# Allegro board mini_trx_layout.brd (continued)
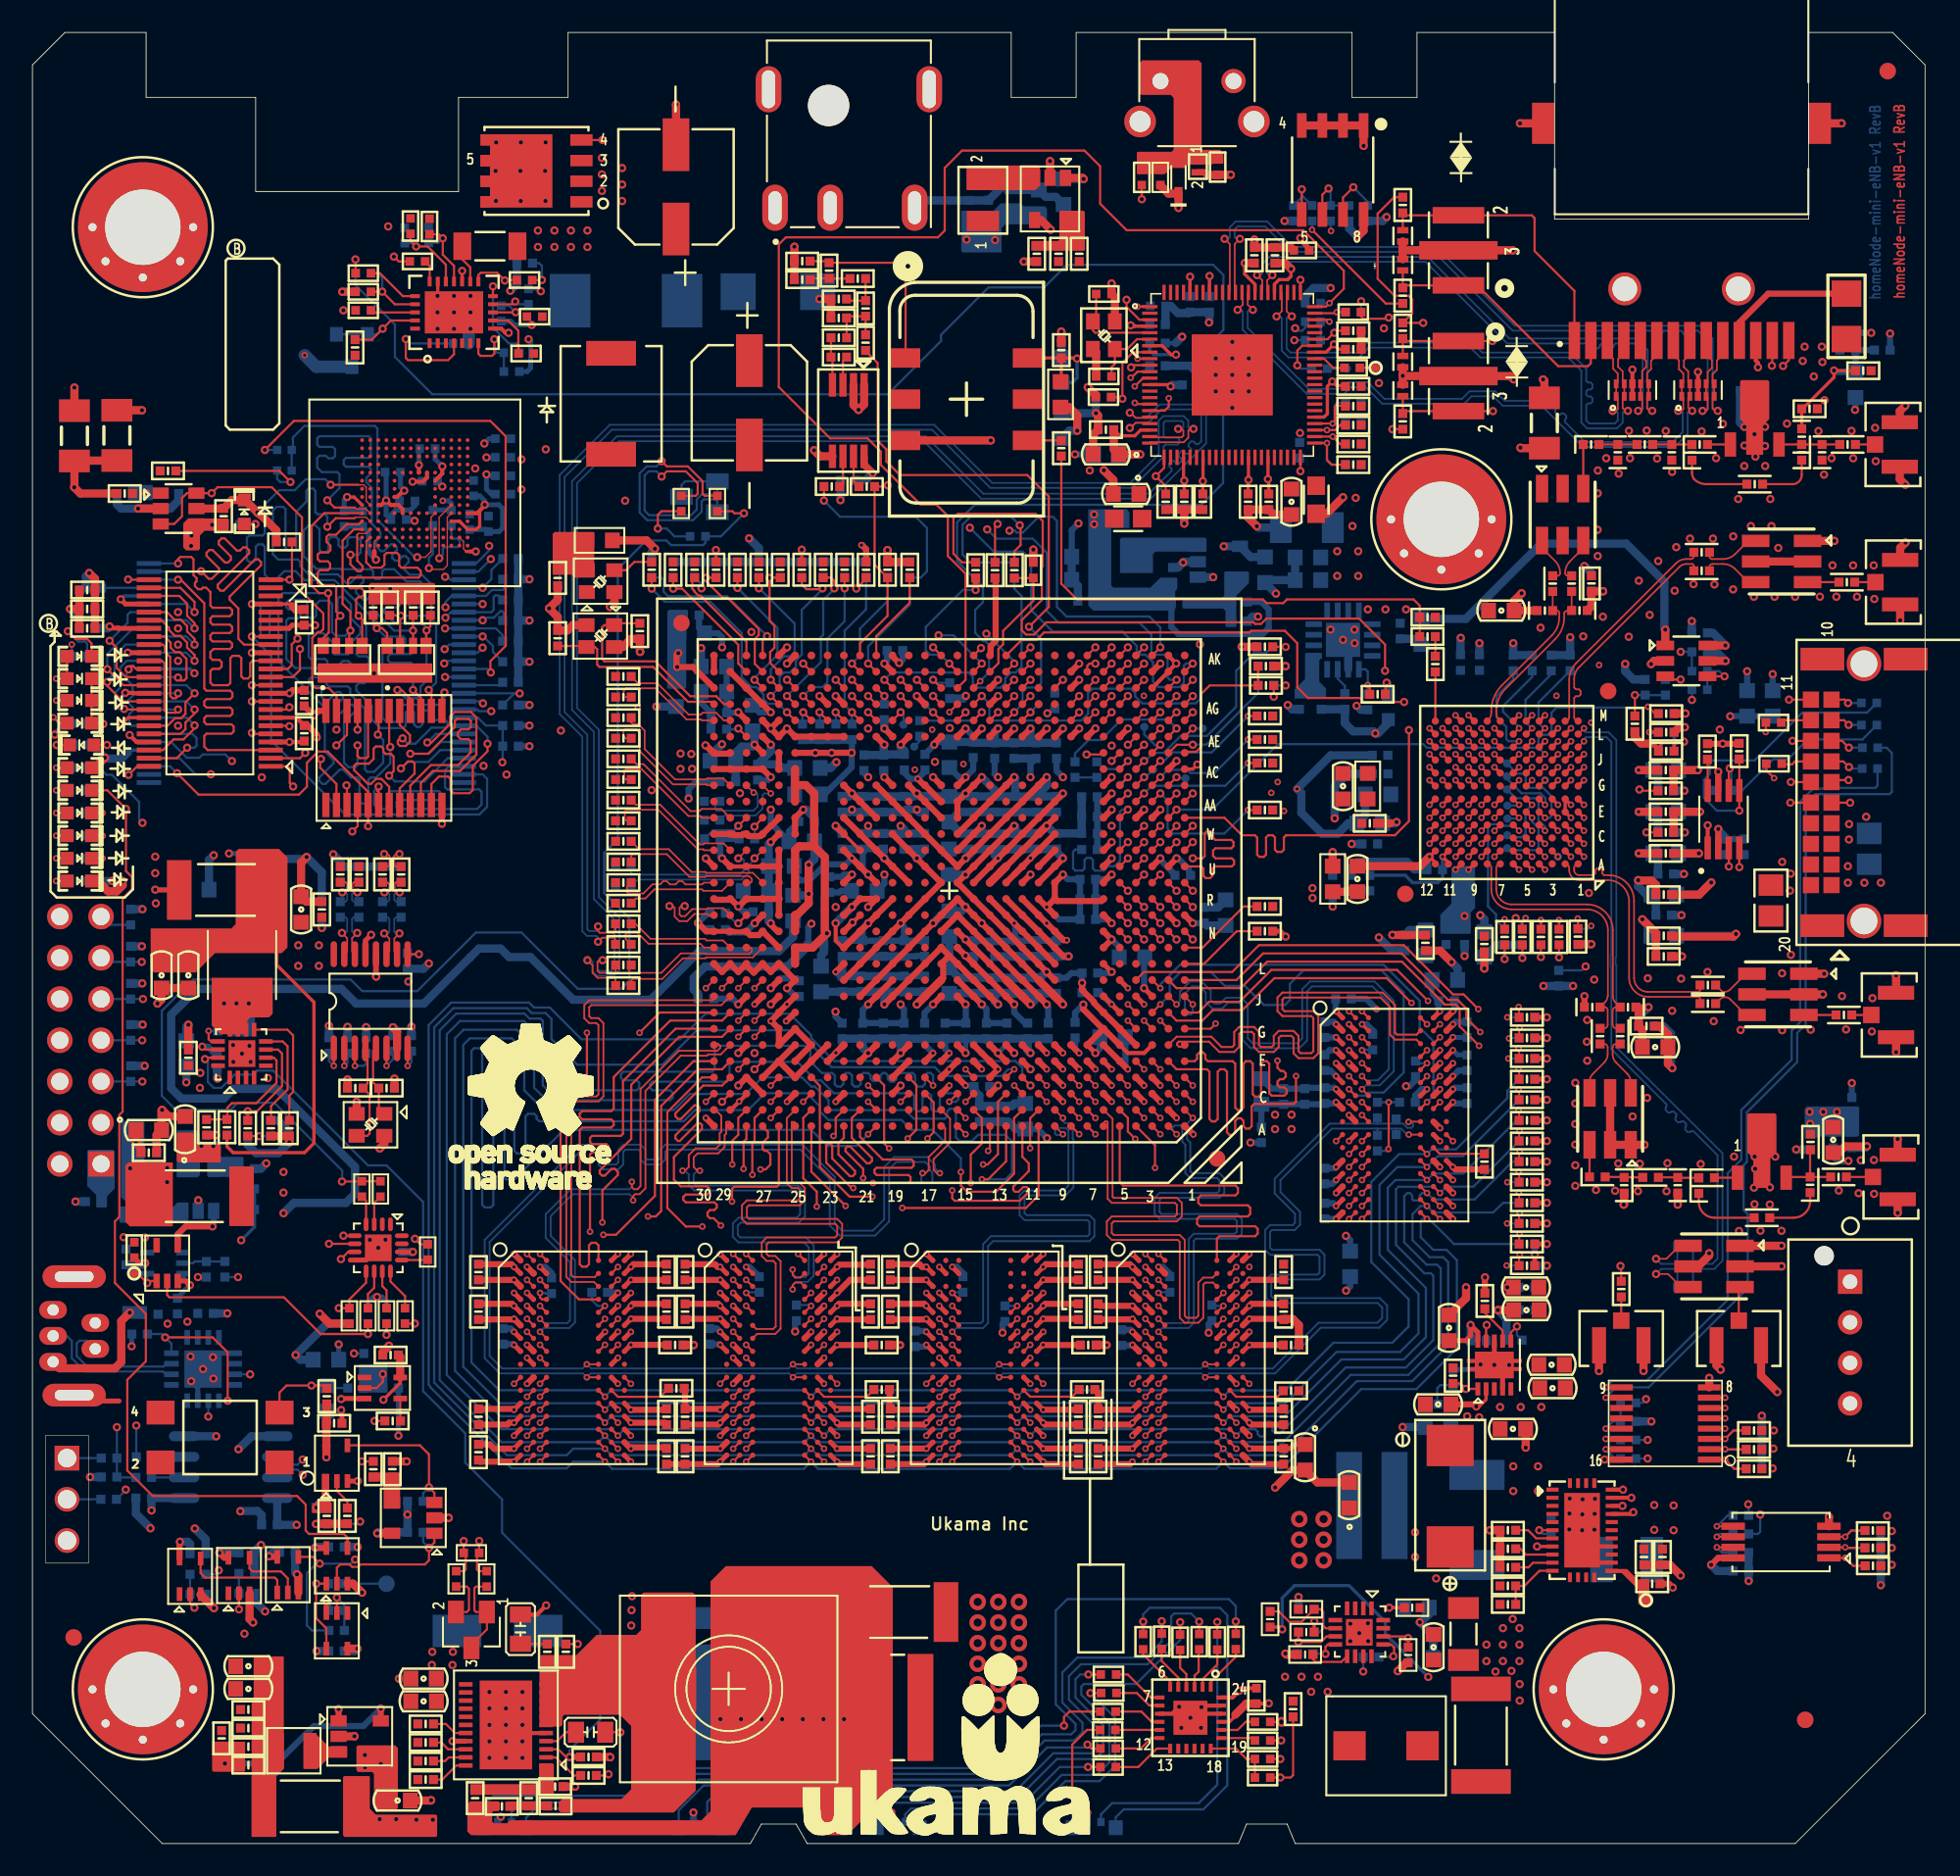
[diagram p0: board, top side]
## Routing (per net, layer and track width the routed paths; a pad name or vN(x,y) marks a point on that pad's centre or on a via; arc(x,y) is an arc through that point) (continued)
7130_DDR3_DQS6P: length 29.6
  TOP w0.107: U11.F3 v2(31.27,32.33)
  TOP w0.114: v2(36.93,40.78) 36.93,40.44 37.05,40.32 37.27,40.32 37.46,40.51 37.46,46.49 39.82,48.85 42.2,48.85 42.38,49.03 42.38,49.15 42.25,49.27 41.99,49.27 U1.F30
  BOTTOM w0.114: v2(31.27,32.33) 31.53,32.07 32.95,32.07 33.12,32.24 33.12,35.82 31.62,37.32 31.62,38.78 33.16,40.32 36.78,40.32 36.93,40.47 v2(36.93,40.78)
7130_DDR3_DQS7N: length 29.6
  TOP w0.114: U1.J29 42.44,51.66 34.43,51.66 34.3,51.53 34.3,50.99 34.43,50.86 34.87,50.86 35.18,50.56 35.18,46.04 34.87,45.73 33.32,45.73 33.19,45.6 33.19,35.04 33.32,34.91 34.65,34.91 U11.B7
7130_DDR3_DQS7P: length 29.6
  TOP w0.114: U1.J30 41.99,52.06 41.89,51.97 34.3,51.97 33.99,51.66 33.99,50.86 34.3,50.56 34.74,50.56 34.87,50.43 34.87,46.16 34.74,46.04 33.19,46.04 32.89,45.73 32.89,34.91 33.19,34.61 34.6,34.61 U11.C7
7130_DDR3_ODT0: length 170
  TOP w0.119: v2(91.56,51.55) 91.59,51.52 R228.1
  TOP w0.137: v2(55.14,43.44) 55.52,43.83 55.52,45.68 U1.C17 ; U11.K1 v2(29.67,28.33) ; U23.K1 v2(55.07,28.33) ; U30.K1 v2(67.77,28.33) ; U35.K1 v2(80.31,43.29) ; v2(42.37,28.33) U15.K1
  L3-SIGNAL w0.127: v2(55.14,43.44) 55.14,42.15 55.01,42.02 52.96,42.02 52.83,42.15 52.83,42.28 52.96,42.4 54.61,42.4 54.73,42.53 54.73,42.66 54.61,42.78 53.4,42.78 53.27,42.91 53.27,43.23 53.15,43.36 52.49,43.36 51.72,44.12 51.18,44.12 51.05,43.99 51.05,43.67 50.92,43.55 50.73,43.55 50.61,43.67 50.61,43.99 50.48,44.12 50.29,44.12 50.16,43.99 50.16,43.67 50.03,43.55 49.91,43.55 49.78,43.67 49.78,43.99 49.65,44.12 48.38,44.12 47.97,44.54 47.97,44.72 48.1,44.85 48.28,44.85 48.55,44.59 48.73,44.59 48.87,44.73 48.87,44.91 46.61,47.18 45.31,47.18 44.92,46.78 44.45,46.78 44.32,46.66 44.32,46.31 44.19,46.19 41.12,46.19 35.43,40.5 33.84,40.5 31.11,37.76 31.11,37.58 31.24,37.44 31.42,37.44 33.72,39.74 33.9,39.74 34.04,39.6 34.04,39.42 33.85,39.24 32.51,37.89 32.51,35.52 32.38,35.39 32.13,35.39 32,35.52 32,36.8 31.87,36.92 29.04,36.92 28.83,36.71 28.83,28.69 29.18,28.33 v2(29.67,28.33) 29.68,28.33 29.68,28.84 30.1,29.26 31.96,29.26 32.34,28.88 33.4,28.88 33.52,29 33.52,29.26 33.4,29.39 32.7,29.39 32.57,29.51 32.57,29.83 32.7,29.96 34.79,29.96 35.4,29.35 36.85,29.35 37.39,28.81 41.09,28.81 41.58,28.33 v2(42.37,28.33) 42.37,28.74 42.68,29.04 45.08,29.04 45.84,28.28 47.06,28.28 47.98,29.2 49.65,29.2 50.02,28.83 54.57,28.83 v2(55.07,28.33) 55.07,29.04 55.41,29.39 58.15,29.39 58.8,30.03 60.25,30.03 60.96,29.32 67.12,29.32 67.24,29.2 67.24,28.94 67.12,28.81 63.05,28.81 62.93,28.69 62.93,28.46 63.05,28.33 v2(67.77,28.33) 67.77,29.91 68.19,30.33 73.03,30.33 74.04,29.32 74.93,29.32 75.05,29.45 75.05,30.08 75.18,30.21 75.43,30.21 75.56,30.08 75.56,29.45 75.69,29.32 75.94,29.32 76.07,29.45 76.07,40.12 79.24,43.29 v2(80.31,43.29) 80.31,43.98 80.82,44.48 83.23,44.48 83.69,44.94 88.64,44.94 89.91,46.21 89.91,50.66 90.8,51.55 v2(91.56,51.55)
7130_DDR3_RAS: length 150.2
  TOP w0.119: R227.1 91.59,50.24 v2(91.63,50.28)
  TOP w0.137: U35.J3 v2(81.91,44.89) ; U11.J3 v2(31.27,29.93) ; U1.A21 50.99,43.55 52.38,42.15 54.16,42.15 54.29,42.02 54.29,41.77 54.16,41.64 52,41.64 51.88,41.51 51.88,41.32 52,41.2 53.97,41.2 54.1,41.07 54.1,40.83 53.97,40.7 v2(51.79,40.7) ; U23.J3 v2(56.67,29.93) ; U15.J3 v2(43.97,29.93) ; U30.J3 v2(69.37,29.93)
  L6-SIGNAL w0.127: v2(91.63,50.28) 91.06,50.28 90.02,49.24 90.02,46.01 88.9,44.89 v2(81.91,44.89) 81.4,44.37 78.85,44.37 75.75,41.27 75.75,30.45 75.63,30.33 71.88,30.33 71.49,29.93 v2(69.37,29.93) 68.7,29.26 60.86,29.26 59.9,30.21 56.95,30.21 v2(56.67,29.93) 56,29.26 50.29,29.26 50.1,29.45 48.12,29.45 47.63,29.93 v2(43.97,29.93) 43.54,29.5 34.74,29.5 34.31,29.93 v2(31.27,29.93) 30.74,29.41 29.36,29.41 28.89,29.88 28.89,37.62 40.43,49.16 40.43,53.05 40.89,53.5 44.7,53.5 44.93,53.27 44.93,50.23 45.54,49.62 45.54,47.48 44.62,46.57 44.62,43.18 46.04,41.76 46.04,41.13 47.3,39.86 50.95,39.86 v2(51.79,40.7)
7130_DDR3_RESET: length 162
  TOP w0.137: U11.T2 v2(30.47,23.53) ; v2(60.49,46.71) U1.C11 ; U30.T2 v2(68.57,23.53) ; U15.T2 v2(43.17,23.53) ; U35.T2 v2(81.11,38.49) ; U23.T2 v2(55.87,23.53)
  L3-SIGNAL w0.127: v2(60.49,46.71) 60,47.19 60,48.9 59.67,49.24 48.82,49.24 47.94,50.11 47.94,52.75 46.99,53.71 40.89,53.71 38.99,51.8 31.75,51.8 27.58,47.64 27.32,47.64 27.17,47.78 27.17,47.99 30.51,51.33 30.51,51.51 30.31,51.71 30.13,51.71 24.63,46.21 24.63,27.39 29.07,22.96 29.9,22.96 v2(30.47,23.53) 31.04,22.96 42.6,22.96 v2(43.17,23.53) 43.74,22.96 55.3,22.96 v2(55.87,23.53) 56.27,23.13 68.17,23.13 v2(68.57,23.53) 68.99,23.11 77.48,23.11 80.13,25.77 80.13,37.5 v2(81.11,38.49) 81.72,37.88 88.16,37.88 90.42,35.62 v2(90.83,35.62)
  BOTTOM w0.127: R464.1 91.58,35.62 v2(90.83,35.62)
7130_DDR3_VREF: length 5.5
  TOP w0.381: v2(57.49,46.71) U1.D15
  BOTTOM w0.381: R407.2 57.95,46.71 v2(57.49,46.71)
  BOTTOM w0.508: R407.2 58.01,46.41 58.34,46.08 R406.1 C338.1 60.35,45.45 60.5,45.6 C345.1
7130_DDR3_WE: length 165.6
  TOP w0.119: v2(91.56,47.71) 91.59,47.68 R225.1
  TOP w0.137: v2(51.18,41.01) 51.18,41.58 50.09,42.66 50.09,42.84 50.2,42.95 50.38,42.95 51.41,41.92 51.59,41.92 51.72,42.06 51.72,42.24 50.48,43.48 50.48,44.7 U1.B21 ; U11.L3 v2(31.27,27.53) ; U30.L3 v2(69.37,27.53) ; U35.L3 v2(81.91,42.49) ; U15.L3 v2(43.97,27.53) ; U23.L3 v2(56.67,27.53)
  L6-SIGNAL w0.127: v2(91.56,47.71) 90.93,47.08 90.93,44.63 89.19,42.88 85.44,42.88 84.99,42.43 81.97,42.43 v2(81.91,42.49) 81.52,42.88 78.96,42.88 77.02,40.94 77.02,29.64 75.31,27.93 69.77,27.93 v2(69.37,27.53) 68.98,27.93 67.37,27.93 66.93,27.48 64.39,27.48 64.26,27.61 64.26,27.8 64.39,27.93 66.29,27.93 66.42,28.05 66.42,28.18 66.29,28.31 63.53,28.31 63.15,27.93 57.07,27.93 v2(56.67,27.53) 56.27,27.93 55.21,27.93 54.83,27.54 51.18,27.54 51.05,27.67 51.05,27.8 51.18,27.93 53.4,27.93 53.53,28.05 53.53,28.18 53.4,28.31 50.62,28.31 50.23,27.91 44.35,27.91 v2(43.97,27.53) 43.57,27.93 42.09,27.93 41.65,28.37 38.22,28.37 38.1,28.24 38.1,28.12 38.22,27.99 41.19,27.99 41.32,27.86 41.32,27.73 41.19,27.61 36.95,27.61 36.62,27.94 31.68,27.94 v2(31.27,27.53) 30.87,27.93 29.14,27.93 27.87,29.2 27.87,37.51 39.82,49.46 39.82,53.58 40.36,54.11 45.75,54.11 46.99,52.88 46.99,50.45 46.48,49.95 46.48,46.44 46,45.96 46,43.06 48.05,41.01 v2(51.18,41.01)
7130_DDR3PLL: length 4.3
  TOP w0.381: U1.AF28 v1(43.49,69.71)
  BOTTOM w0.381: L21.1 C257.1 42.77,69.68 C258.1 43.46,69.68 v1(43.49,69.71)
7130_DSP_JTAG_TCK: length 7.8
  TOP w0.137: R198.2 v2(74.89,69.48) ; U1.AC3 v1(69.49,66.71)
  BOTTOM w0.137: v2(74.89,69.48) 72.65,67.24 70.25,67.24 69.72,66.71 v1(69.49,66.71)
7130_DSP_JTAG_TDI: length 8.4
  TOP w0.137: R196.2 v2(74.89,66.58) ; U1.AA4 v1(68.49,64.71)
  BOTTOM w0.137: v2(74.89,66.58) 73.49,65.18 68.96,65.18 v1(68.49,64.71)
7130_DSP_JTAG_TDO: length 10.3
  TOP w0.137: U1.Y5 v1(67.48,63.71)
  BOTTOM w0.137: v1(67.48,63.71) 67.14,63.71 67,63.58 67,60.57 66.66,60.22 66.27,60.22 66,59.95 65.47,59.95 65.33,60.09 65.33,60.6 65.2,60.74 64.95,60.74 64.81,60.6 64.81,60.09 64.68,59.95 64.25,59.95 64.11,60.09 64.11,61.11 64.25,61.25 R415.2
7130_DSP_JTAG_TMS: length 9.3
  TOP w0.137: U1.AA3 v1(69.49,64.71) ; R194.2 v2(74.89,63.69)
  BOTTOM w0.137: v2(74.89,63.69) 73.43,62.23 70.25,62.23 69.94,62.55 69.94,64.26 v1(69.49,64.71)
7130_DSP_JTAG_TRST: length 7.8
  TOP w0.137: R197.2 v2(74.89,68.03) ; U1.AB3 v1(69.49,65.71)
  BOTTOM w0.137: v2(74.89,68.03) 72.83,65.97 71.35,65.97 71.16,66.16 69.94,66.16 v1(69.49,65.71)
7130_EJTAG_TDO: length 62.4
  TOP w0.137: v1(50.49,70.71) U1.AG21
  L6-SIGNAL w0.127: v1(50.49,70.71) 50.26,70.48 50.17,70.48 49.84,70.15 49.3,70.15 49.04,69.89 49.04,69.56 48.75,69.27 44.95,69.27 43.71,68.03 43.71,67.88 41.19,65.35 33.32,65.35 27.2,59.24 20.95,59.24 20.65,59.54 11.62,59.54 6.92,54.84 6.62,54.84 6.29,54.51 6.29,47.44 v1(6.77,46.96)
  BOTTOM w0.137: v1(6.77,46.96) R346.2 J5.5
7130_EJTAG_TRST_L: length 66.4
  TOP w0.137: v1(49.49,71.71) U1.AH22
  L6-SIGNAL w0.127: v1(49.49,71.71) 49.05,71.27 49.05,70.83 48.93,70.71 48.93,70.53 48.67,70.27 45.41,70.27 44.3,69.15 43.3,69.15 43.04,68.89 43.04,67.67 41.14,65.78 33.17,65.78 26.96,59.57 21.09,59.57 20.78,59.87 10.69,59.87 5.89,55.06 5.89,43.54 J5.1
7130_GPIO0: length 90.9
  TOP w0.137: U1.AG12 v1(60.49,70.71) ; LED9.2 v2(4.32,60.71)
  L3-SIGNAL w0.127: v1(60.49,70.71) 60.49,71.08 59.93,71.64 59.93,72.89 59.54,73.28 59.54,74.93 58.13,76.35 53.9,76.35 47.43,82.81 37.72,82.81 37,83.52 36.13,83.52 35.39,82.79 35.39,81.12 35.59,80.93 36.48,80.04 36.48,72.38 35.97,71.87 29.12,71.87 28.41,72.58 28.06,72.58 27.56,72.08 27.56,71.7 29.15,70.11 29.15,69.27 28.73,68.85 22.53,68.85 20.48,66.8 20.48,64.49 19.22,63.22 9.69,63.22 8.14,64.77 5.1,64.77 4.97,64.64 4.97,61.36 v2(4.32,60.71)
7130_GPIO8: length 60.2
  TOP w0.137: U1.AK14 58.44,73.66 v1(58.44,73.66) ; v1(15.89,83.9) 15.21,84.59 R166.1
  L3-SIGNAL w0.127: v1(36.51,82.75) 36.53,82.75 37.18,82.1 42.61,82.1 43.25,81.46 47.85,81.46 53.88,75.43 56.67,75.43 v1(58.44,73.66)
  L6-SIGNAL w0.127: v1(15.89,83.9) 20.12,88.13 31.93,88.13 36.51,83.55 v1(36.51,82.75)
  BOTTOM w0.137: R2N2.1 15.08,84.08 15.26,83.9 v1(15.89,83.9)
7130_HOT: length 148.5
  TOP w0.137: v1(21.81,31.35) R173.2 ; U1.AH12 v1(60.49,71.71)
  L3-SIGNAL w0.127: v1(21.81,31.35) 21.81,34.37 19.73,36.45 19.73,37.77 19.43,38.08 18.89,38.08 18.71,37.9 18.71,36.64 18.59,36.51 17.99,36.51 17.81,36.69 17.81,38.55 19.59,40.33 19.59,44.24 14.71,49.12 14.71,61.79 13.75,62.75 9.18,62.75 7.72,64.2 5.58,64.2 5.31,63.94 5.31,60.87 4.65,60.2 4.11,60.2 3.67,60.65 3.67,64.85 3.92,65.1 8.28,65.1 9.81,63.57 18.89,63.57 20.15,64.84 20.15,66.93 20.52,67.3 20.52,68.89 20.9,69.27 28.49,69.27 28.8,69.57 28.8,70.07 27.28,71.58 27.28,72.2 27.95,72.86 28.18,72.86 28.53,72.86 29.14,72.26 35.74,72.26 36.15,72.66 36.15,79.9 35.11,80.93 35.11,82.91 35.12,82.91 35.12,82.99 35.79,83.66 35.99,83.85 37.14,83.85 37.77,83.23 50.06,83.23 56.52,76.76 59.69,76.76 60.04,76.41 60.04,73.53 60.3,73.27 60.6,73.27 60.95,72.91 60.95,72.47 60.49,72.01 v1(60.49,71.71)
  BOTTOM w0.137: R173.2 v1(21.81,31.35)
7130_I2C0_EEPROM_WP: length 129.9
  TOP w0.137: v1(83.33,72.27) 83.33,73.88 81.73,75.48 76.02,75.48 75.69,75.16 75.32,75.16 75.23,75.25 62.46,75.25 61.71,74.5 61.21,74.5 60.95,74.76 60.95,74.84 60.95,74.84 60.95,75.38 62.19,76.62 62.19,78.64 62.24,78.7 62.24,81.5 61.79,81.94 57.02,81.94 56.74,81.66 56.74,79.48 57.27,78.95 R401.2 ; U19.7 v2(103.77,18.25)
  L3-SIGNAL w0.127: v2(103.77,18.25) 106.48,18.25 108.25,20.02 108.25,27.6 108.54,27.89 108.54,38.53 108.54,38.8 108.22,39.13 108.22,42.95 108.36,43.09 108.36,53.56 109.75,54.95 109.75,71.79 108.89,72.64 106.8,72.64 105.84,71.68 104.63,71.68 104.23,71.29 101.36,71.29 100.88,71.76 96.88,71.76 96.81,71.68 95.29,71.68 94.71,72.27 v1(83.33,72.27)
  BOTTOM w0.137: v2(103.77,18.25) 104.09,17.94 R382.1
7130_JTAG_TCK: length 56.8
  TOP w0.137: v1(51.49,70.71) U1.AG20
  L6-SIGNAL w0.127: v1(6.81,52.04) 12.46,57.69 26.71,57.69 33.49,64.47 39.73,64.47 40.24,63.95 40.72,63.95 44.03,67.27 45.67,67.27 45.93,67.53 45.93,67.89 46.3,68.27 46.67,68.27 46.87,68.47 49.33,68.47 50.04,69.18 50.04,69.89 50.3,70.15 50.93,70.15 v1(51.49,70.71)
  BOTTOM w0.137: v1(6.81,52.04) R329.2 J5.9
7130_JTAG_TDI: length 65.2
  TOP w0.137: U1.AH21 v1(50.49,71.71)
  L6-SIGNAL w0.127: v1(50.49,71.71) 50.04,72.15 48.13,72.15 47.13,71.15 45.3,71.15 44.3,70.15 43.3,70.15 41.91,68.76 41.91,67.49 41.11,66.69 39.3,66.69 39.26,66.66 38.72,66.66 33.47,66.66 26.71,59.9 21.22,59.9 20.92,60.2 10.56,60.2 5.56,55.2 5.56,45.75 J5.3
7130_JTAG_TMS: length 56.3
  TOP w0.137: v1(51.49,69.71) U1.AF20
  L6-SIGNAL w0.127: v1(6.76,49.5) 14.61,57.36 34.59,57.36 44.17,66.94 45.81,66.94 46.02,67.14 46.02,67.14 46.93,68.06 49.74,68.06 51.17,69.48 51.26,69.48 v1(51.49,69.71)
  BOTTOM w0.137: J5.7 R335.2 v1(6.76,49.5)
7130_LATCH_A16: length 27.6
  TOP w0.137: v1(16.81,67.21) 16.48,66.88 U22.2
  L3-SIGNAL w0.127: v1(16.81,67.21) 16.63,67.03 15,67.03 14.55,67.49 13.81,67.49 12.69,68.61 12.69,71.27 14.07,72.64 14.07,74.43 17.57,77.93 24.51,77.93 24.63,78.06 v1(25.42,78.06)
  BOTTOM w0.137: U64.3 25.75,77.88 25.57,78.06 v1(25.42,78.06)
7130_LATCH_A17: length 26.6
  TOP w0.137: U22.3 14.68,67.38 10.8,67.38 10.59,67.59 10.59,68.25 10.72,68.39 12.26,68.39 12.4,68.53 12.4,68.83 12.26,68.97 10.72,68.97 10.59,69.1 10.59,69.35 10.72,69.48 12.18,69.48 12.32,69.62 12.32,69.87 12.18,70 10.72,70 10.59,70.14 10.59,70.38 10.72,70.52 12.18,70.52 12.32,70.66 12.32,70.9 12.18,71.04 10.72,71.04 10.59,71.18 10.59,76.43 9.14,77.88 v1(8.97,77.88)
  BOTTOM w0.137: v1(8.97,77.88) 8.97,77.88 U64.54
7130_LATCH_A18: length 26.8
  TOP w0.137: U22.5 14.68,68.38 13.58,68.38 v1(13.52,68.44)
  L3-SIGNAL w0.127: v1(13.52,68.44) 14.65,68.44 15.65,67.43 16.02,67.43 16.24,67.66 18,67.66 18.13,67.78 18.13,69.19 18.76,69.83 19.13,69.83 19.25,69.7 19.25,69.25 19.38,69.13 19.63,69.13 19.76,69.25 19.76,69.7 19.89,69.83 20.16,69.83 20.39,69.6 20.67,69.6 20.89,69.83 21.16,69.83 21.39,69.6 21.67,69.6 21.9,69.83 22.06,69.83 22.18,69.95 22.18,70.39 22.31,70.51 22.56,70.51 22.69,70.39 22.69,69.95 22.82,69.83 23.07,69.83 23.2,69.95 23.2,70.39 23.33,70.51 23.58,70.51 23.71,70.39 23.71,69.95 23.83,69.83 24.09,69.83 24.21,69.95 24.21,70.39 24.34,70.51 24.6,70.51 24.72,70.39 24.72,69.95 24.85,69.83 25.1,69.83 25.23,69.95 25.23,70.39 25.36,70.51 25.61,70.51 25.74,70.39 25.74,69.95 25.87,69.83 26.12,69.83 26.25,69.95 26.25,70.39 26.37,70.51 26.63,70.51 26.75,70.39 26.75,69.95 26.88,69.83 28.21,69.83 v1(28.26,69.78)
  BOTTOM w0.137: U64.19 27.4,69.88 27.5,69.78 v1(28.26,69.78)
7130_LATCH_A19: length 26.6
  TOP w0.137: v1(15.83,68.85) 15.8,68.88 U22.6
  L3-SIGNAL w0.127: v1(27.76,70.26) 27.76,70.46 27.43,70.79 26.18,70.79 25.95,71.02 25.95,72.1 26.08,72.22 26.49,72.22 26.61,72.35 26.61,72.81 26.49,72.94 26.18,72.94 25.54,72.3 25.06,72.3 24.63,72.72 24.38,72.72 24.25,72.6 24.25,72.29 24.12,72.16 23.87,72.16 23.74,72.29 23.74,72.6 23.62,72.72 23.36,72.72 23.23,72.6 23.23,72.29 23.11,72.16 22.85,72.16 22.73,72.29 22.73,72.6 22.6,72.72 22.3,72.72 22.18,72.6 22.18,72.34 22.05,72.22 21.8,72.22 21.67,72.34 21.67,72.6 21.54,72.72 20.54,72.72 20.42,72.6 20.42,72.2 20.29,72.07 20.04,72.07 19.91,72.2 19.91,72.6 19.78,72.72 19.27,72.72 19.08,72.53 19.08,72.35 19.61,71.82 19.61,71.64 19.43,71.46 19.25,71.46 18.72,71.99 18.53,71.99 16.25,69.72 16.25,69.42 16.38,69.29 16.73,69.29 16.9,69.13 16.9,68.86 16.77,68.74 15.94,68.74 v1(15.83,68.85)
  BOTTOM w0.137: U64.18 26.58,70.38 27.61,70.38 27.73,70.26 v1(27.76,70.26)
7130_LATCH_A20: length 26.7
  TOP w0.137: U22.8 15.69,69.88 v1(15.83,70.02)
  L3-SIGNAL w0.127: v1(25.39,73.6) 25.39,73.33 25.11,73.05 24.55,73.05 24.42,73.18 24.42,73.56 24.3,73.69 24.04,73.69 23.92,73.56 23.92,73.18 23.79,73.05 23.54,73.05 23.41,73.18 23.41,73.56 23.28,73.69 23.03,73.69 22.9,73.56 22.9,73.18 22.77,73.05 22.52,73.05 22.39,73.18 22.39,73.56 22.27,73.69 22.01,73.69 21.88,73.56 21.88,73.18 21.76,73.05 21.5,73.05 21.38,73.18 21.38,73.56 21.25,73.69 21,73.69 20.87,73.56 20.87,73.18 20.74,73.05 20.49,73.05 20.36,73.18 20.36,73.56 20.23,73.69 19.98,73.69 19.85,73.56 19.85,73.21 19.73,73.08 18.99,73.08 18.77,72.86 18.59,72.86 17.94,73.51 17.76,73.51 17.58,73.33 17.58,73.15 18.23,72.5 18.23,72.32 18.05,72.14 17.87,72.14 17.22,72.79 17.04,72.79 16.86,72.61 16.86,72.43 17.51,71.78 17.51,71.6 16.9,70.98 16.52,70.98 16.25,71.25 16.25,71.85 16.12,71.98 15.87,71.98 15.74,71.85 15.74,71.45 15.61,71.33 15.16,71.33 15.03,71.2 15.03,69.9 15.16,69.78 15.7,69.78 15.83,69.9 v1(15.83,70.02)
  BOTTOM w0.137: U64.11 26.58,73.88 25.67,73.88 v1(25.39,73.6)
7130_LATCH_A21: length 27
  TOP w0.137: v1(13.52,70.38) 14.68,70.38 U22.9
  L3-SIGNAL w0.127: v1(27.73,73.69) 25.9,73.69 25.57,74.02 17.8,74.02 16.09,72.31 15.77,72.31 15.64,72.43 15.64,74.27 15.39,74.53 14.85,74.53 14.57,74.25 14.57,72 14.45,71.88 14.14,71.88 14.01,71.75 14.01,71.5 14.14,71.37 14.45,71.37 14.57,71.24 14.57,70.99 14.45,70.86 14.14,70.86 14.01,70.73 14.01,70.48 14.14,70.35 14.45,70.35 14.57,70.23 14.57,69.52 14.37,69.31 13.73,69.31 13.52,69.52 v1(13.52,70.38)
  BOTTOM w0.137: v1(27.73,73.69) 27.73,73.69 27.42,73.38 U64.12
7130_LATCH_A22: length 26.7
  TOP w0.137: U22.11 v1(13.52,71.38)
  L3-SIGNAL w0.127: v1(25.42,71.88) 24.88,71.88 24.75,71.75 24.75,71.63 24.63,71.5 24.37,71.5 24.24,71.63 24.24,71.75 24.12,71.88 23.86,71.88 23.74,71.75 23.74,71.63 23.61,71.5 23.36,71.5 23.23,71.63 23.23,71.75 23.1,71.88 22.85,71.88 22.72,71.75 22.72,71.63 22.59,71.5 22.34,71.5 22.21,71.63 22.21,71.75 22.03,71.94 21.61,71.94 21.45,71.79 21.45,71.53 21.91,71.07 21.91,70.77 21.76,70.62 21.53,70.62 21.12,71.02 20.95,71.02 20.82,70.9 20.82,70.29 20.69,70.16 20.44,70.16 20.31,70.29 20.31,71.15 20.18,71.28 19.71,71.28 19.53,71.09 19.53,70.91 19.87,70.57 19.87,70.39 19.69,70.21 19.51,70.21 19.17,70.55 18.99,70.55 18.81,70.38 18.63,70.38 18.1,70.91 17.92,70.91 17.74,70.73 17.74,70.55 18.27,70.02 18.27,69.8 17.8,69.33 17.8,69.08 17.05,68.33 15.23,68.33 14.58,68.98 13.47,68.98 13.07,69.37 13.07,71.19 13.27,71.38 v1(13.52,71.38)
  BOTTOM w0.137: U64.15 v1(25.42,71.88)
7130_LATCH_A23: length 27.1
  TOP w0.137: U22.12 16.04,71.88 16.48,72.32 v1(16.48,73.61)
  L3-SIGNAL w0.127: v1(16.48,73.61) 16.78,73.92 16.78,74.93 16.66,75.06 16.48,75.06 16.36,75.18 16.36,75.44 16.48,75.56 16.66,75.56 16.78,75.69 16.78,76.03 17.24,76.48 17.62,76.48 17.75,76.36 17.75,75.67 17.87,75.54 18.13,75.54 18.26,75.67 18.26,76.36 18.38,76.48 22.45,76.48 23.22,77.25 24.95,77.25 24.99,77.28 25.99,77.28 26.31,77.6 26.31,80.88 26.44,81 26.62,81 26.75,80.88 26.75,79.32 26.91,79.15 v1(28.24,79.15)
  BOTTOM w0.137: U64.2 26.58,78.38 27.47,78.38 v1(28.24,79.15)
7130_LATCH_A24: length 26.7
  TOP w0.137: v1(16.33,74.25) 15.97,73.89 15.97,72.62 15.73,72.38 U22.13
  L3-SIGNAL w0.127: v1(16.33,74.25) 16.17,74.25 15.48,74.95 15.48,75.28 17.77,77.57 18.46,77.57 19.22,76.81 19.75,76.81 19.88,76.94 19.88,77.21 20,77.33 20.26,77.33 20.39,77.21 20.39,76.94 20.51,76.81 22.24,76.81 23.01,77.58 24.82,77.58 24.85,77.61 25.71,77.61 25.93,77.83 25.93,81.45 26.09,81.61 27.2,81.61 28.14,80.67 v1(28.14,79.96)
  BOTTOM w0.137: U64.1 27.33,78.88 27.79,79.34 28.14,79.68 v1(28.14,79.96)
7130_LATCH_A25: length 27.3
  TOP w0.137: U22.14 13.55,72.88 13.42,72.74 13.42,71.93 13.28,71.79 13,71.79 12.87,71.93 12.87,73.05 12.73,73.19 12.33,73.19 12.19,73.05 12.19,71.52 12.05,71.38 11.12,71.38 10.96,71.53 10.96,72.25 11.1,72.39 11.51,72.39 11.65,72.52 11.65,72.8 11.51,72.94 11.1,72.94 10.96,73.07 10.96,73.42 11.15,73.61 12.16,73.61 12.3,73.75 12.3,73.94 12.16,74.08 11.1,74.08 10.96,74.21 10.96,74.46 11.1,74.59 12.16,74.59 12.3,74.73 12.3,74.98 12.16,75.11 11.1,75.11 10.96,75.25 10.96,75.49 11.1,75.63 12.16,75.63 12.3,75.77 12.3,76.01 12.16,76.15 11.1,76.15 10.96,76.29 10.96,77.12 10.69,77.39 10.5,77.39 10.4,77.29 10.2,77.29 10.01,77.49 10.01,77.68 10.11,77.78 10.11,77.97 9.92,78.16 9.92,79.14 9.79,79.28 9.11,79.28 8.97,79.14 v1(8.97,78.88)
  BOTTOM w0.137: U64.56 8.97,78.88 v1(8.97,78.88)
7130_LATCH_A26: length 26.6
  TOP w0.137: U22.16 13.03,73.88 12.69,74.23 12.69,76.1 12.15,76.64 12.15,76.84 14.08,78.77 14.08,78.96 13.91,79.14 13.72,79.14 11.78,77.2 11.59,77.2 11.42,77.38 11.42,77.57 13.35,79.5 13.35,79.7 13.18,79.87 12.98,79.87 12.79,79.67 12.59,79.67 11.84,80.42 11.65,80.42 11.48,80.25 11.48,80.06 12.23,79.31 12.23,79.11 12.05,78.94 11.86,78.94 11.09,79.71 10.9,79.71 10.73,79.54 10.73,79.34 11.49,78.58 11.49,78.38 11.05,77.94 10.86,77.94 v1(10.39,78.4)
  BOTTOM w0.137: v1(10.39,78.4) 10.37,78.38 U64.55
7130_LATCH_A27: length 26.7
  TOP w0.137: U22.17 14.68,74.38 v1(13.52,74.38)
  BOTTOM w0.137: v1(13.52,74.38) 14.7,73.2 14.7,67.97 19.26,63.41 27.54,63.41 28.01,63.88 28.01,65.61 27.74,65.88 U64.27
7130_MDC1: length 1.3
  TOP w0.137: v1(71.49,68.71) U1.AE1
  BOTTOM w0.137: TP36.1 v1(71.49,68.71)
7130_MDIO1: length 2.5
  TOP w0.137: U1.AD3 v1(69.49,67.71)
  BOTTOM w0.137: v1(69.49,67.71) 69.44,67.67 69.18,67.67 68.5,68.35 TP34.1
7130_MSC_CLKOUT_EN: length 1.8
  TOP w0.137: U1.AH16 v1(55.49,71.71)
  BOTTOM w0.137: R397.2 55.67,71.52 v1(55.49,71.71)
7130_PCIE_BOOT: length 1.5
  TOP w0.137: U1.AF24 v1(47.49,69.71)
  BOTTOM w0.137: R369.2 47.44,69.67 v1(47.49,69.71)
7130_PCIE_MODE: length 7.6
  TOP w0.137: R134.2 45.44,78.01 v1(45.41,77.98) 45.41,75.33 45.71,75.03 45.71,73.68 45.45,73.42 45.45,72.75 U1.AJ26
  BOTTOM w0.137: v1(45.41,77.98) 45.44,78.01 R134.2
7130_PCIE_RST: length 1.3
  BOTTOM w0.137: R414.2 R416.2
7130_PHY_PLL_VDD33: length 6.3
  TOP w0.381: U1.AE27 v1(45.49,67.71)
  BOTTOM w0.508: L25.1 C273.1 46.18,66.28 45.95,66.5 C263.1 45.49,67.31 v1(45.49,67.71)
7130_PHY_PWM: length 34.1
  TOP w0.137: v1(61.4,74.98) 62.62,76.2 62.62,83 61.29,84.33 53.45,84.33 52.61,85.17 52.61,85.91 52.07,86.45 52.07,91.23 51.33,91.97 R240.1 ; U1.AF12 v1(60.49,69.71)
  BOTTOM w0.137: v1(61.4,74.98) 62.14,74.23 62.14,71.5 61.88,71.23 61.26,71.23 61,70.97 61,70.22 v1(60.49,69.71)
7130_PLL_MUL0: length 10.5
  TOP w0.137: U1.AF21 v1(50.49,69.71)
  BOTTOM w0.137: R389.1 51.36,76.06 50.04,74.74 50.04,70.16 v1(50.49,69.71) 50.49,69.71 R386.2
7130_PLL_MUL1: length 10.1
  TOP w0.137: v1(50.04,77.35) R147.2 ; U1.AG24 v1(47.49,70.71)
  BOTTOM w0.137: v1(47.49,70.71) 48.04,71.26 48.67,71.26 48.98,71.56 48.98,74.26 50.04,75.32 v1(50.04,77.35) R383.1
7130_PLL_MUL2: length 10.6
  TOP w0.137: v1(50.76,77.33) 51.36,77.94 R150.1 ; v1(49.49,69.71) U1.AF22
  L3-SIGNAL w0.127: v1(50.76,77.33) 50.76,76.85 50.01,76.1 50.01,70.03 49.68,69.71 v1(49.49,69.71)
  BOTTOM w0.137: v1(49.49,69.71) 49.5,69.7 R381.2
7130_PLL_MUL3: length 11
  TOP w0.137: R142.2 49.19,78.01 49.4,77.8 v1(49.4,77.35) ; U1.AG25 v1(46.49,70.71)
  BOTTOM w0.137: v1(46.49,70.71) 48.57,72.8 48.57,74.34 48.72,74.48 48.72,76.62 49.4,77.31 v1(49.4,77.35) 49.4,77.78 49.17,78.01 R142.2
7130_PLL_MUL4: length 15.4
  TOP w0.137: U1.AF23 v1(48.49,69.71)
  L3-SIGNAL w0.127: v1(48.49,69.71) 48.49,70.08 48.04,70.53 48.04,71.36 47.87,71.53 47.87,72.47 47.93,72.53 47.93,74.75 47.58,75.1 43.52,75.1 41.27,77.35 v1(41.22,77.35)
  BOTTOM w0.137: R373.2 48.51,69.69 v1(48.49,69.71) ; R337.1 41.19,77.61 41.19,77.37 v1(41.22,77.35)
7130_PLL_REFCLK50: length 14.6
  TOP w0.137: v1(46.49,69.71) U1.AF25 ; R124.2 v1(38.15,77.33)
  BOTTOM w0.137: v1(38.15,77.33) 38.95,76.52 41.76,76.52 43.7,74.59 43.7,71.86 44.3,71.26 44.59,71.26 45.04,70.81 45.04,70.52 45.33,70.23 45.96,70.23 v1(46.49,69.71)
7130_QLM0_REFCLKN: length 27.7
  TOP w0.107: v1(39.24,57.77) 39.46,57.77 39.56,57.66 39.56,57.13 39.85,56.84 40.34,56.84 40.78,57.28 41.56,57.28 41.63,57.21 U1.P30 ; v1(22.61,60.98) 22.4,60.98 22.29,60.87 22.29,60.31 22.4,60.2 C245.2
  L3-SIGNAL w0.095: v1(39.24,57.77) 39.47,57.77 39.56,57.67 39.56,56.72 39.47,56.62 36.9,56.62 35.82,57.7 24.94,57.7 24.54,58.09 24.54,58.23 24.63,58.32 24.63,58.45 24.49,58.59 24.36,58.59 24.27,58.5 24.13,58.5 24,58.63 24,58.77 24.09,58.86 24.09,58.99 23.95,59.13 23.82,59.13 23.73,59.04 23.6,59.04 23.46,59.17 23.46,59.31 23.55,59.4 23.55,59.53 23.42,59.66 23.28,59.66 23.19,59.58 23.06,59.58 22.92,59.71 22.92,59.84 23.01,59.93 23.01,60.07 22.88,60.2 22.74,60.2 22.65,60.11 22.52,60.11 22.29,60.34 22.29,60.88 22.39,60.98 v1(22.61,60.98)
7130_QLM0_REFCLKP: length 27.8
  TOP w0.107: v1(21.67,60.98) 21.88,60.98 21.99,60.87 21.99,60.31 21.88,60.2 C246.2 ; U1.P29 42.56,57.64 41.61,57.64 41.55,57.58 40.65,57.58 40.21,57.15 39.97,57.15 39.87,57.25 39.87,57.66 39.97,57.77 v1(40.18,57.77)
  L3-SIGNAL w0.095: v1(40.18,57.77) 39.96,57.77 39.87,57.67 39.87,56.59 39.59,56.32 36.77,56.32 35.7,57.39 24.81,57.39 21.99,60.21 21.99,60.88 21.89,60.98 v1(21.67,60.98)
7130_QLM0_RXN0: length 88.2
  TOP w0.107: v1(67.61,87.23) 67.65,87.23 67.97,87.55 68.79,87.55 U243.19 ; v1(35.13,54.43) 34.92,54.43 34.81,54.33 34.81,53.78 34.94,53.65 35.82,53.65 35.93,53.76 C65.1
  BOTTOM w0.107: v1(35.13,54.43) 34.92,54.43 34.81,54.33 34.81,53.88 34.92,53.78 35.68,53.78 35.86,53.95 35.86,56.93 34.59,58.2 34.59,68.51 33.24,69.85 33.24,83.95 36.01,86.71 55.04,86.71 58.58,83.18 68.77,83.18 70.18,84.58 70.18,84.73 70.02,84.89 70.02,85.04 70.17,85.19 70.32,85.19 70.48,85.03 70.63,85.03 70.78,85.18 70.78,85.33 70.62,85.49 70.62,85.64 70.77,85.79 70.92,85.79 71.08,85.63 71.23,85.63 71.38,85.79 71.38,85.94 71.23,86.1 71.23,86.25 71.38,86.4 71.53,86.4 71.69,86.24 71.84,86.24 72,86.4 72,88.19 71.83,88.37 69.56,88.37 68.74,87.55 67.97,87.55 67.65,87.23 v1(67.61,87.23)
7130_QLM0_RXP0: length 88.3
  TOP w0.107: C64.1 35.93,53.24 35.82,53.35 34.81,53.35 34.51,53.65 34.51,54.12 v1(34.19,54.43) ; U243.18 68.79,87.85 67.97,87.85 67.65,88.17 v1(67.61,88.17)
  BOTTOM w0.107: v1(67.61,88.17) 67.65,88.17 67.97,87.85 68.61,87.85 69.44,88.67 71.95,88.67 72.31,88.32 72.31,86.28 68.9,82.87 58.45,82.87 54.91,86.41 36.13,86.41 33.55,83.82 33.55,69.98 34.89,68.63 34.89,58.32 36.16,57.05 36.16,53.83 35.81,53.47 34.79,53.47 34.51,53.76 34.51,54.33 34.4,54.43 v1(34.19,54.43)
7130_QLM0_TXN0: length 80.2
  TOP w0.107: v1(71.53,87.17) 71.32,87.17 71.21,87.07 71.21,86.63 70.93,86.35 68.89,86.35 U243.22 ; v1(34.85,55.57) 35.09,55.81 35.82,55.81 35.92,55.71 C66.2
  BOTTOM w0.107: v1(34.85,55.57) 34.85,55.82 34.74,55.93 34.16,55.93 33.88,56.21 33.88,68.2 32.48,69.6 32.48,84.33 35.57,87.42 55.55,87.42 59.13,83.84 67.62,83.84 69.39,85.6 69.39,87.68 69.67,87.96 70.93,87.96 71.21,87.68 71.21,87.28 71.32,87.17 v1(71.53,87.17)
7130_QLM0_TXP0: length 80.1
  TOP w0.107: U243.21 68.89,86.65 70.8,86.65 70.91,86.76 70.91,87.07 70.8,87.17 v1(70.59,87.17) ; C67.2 35.92,56.3 35.74,56.12 34.95,56.12 34.85,56.23 v1(34.85,56.51)
  BOTTOM w0.107: v1(70.59,87.17) 70.8,87.17 70.91,87.28 70.91,87.55 70.8,87.66 69.8,87.66 69.69,87.55 69.69,86.74 69.8,86.63 70.55,86.63 70.66,86.52 70.66,86.31 70.55,86.2 69.8,86.2 69.69,86.1 69.69,85.48 67.75,83.54 59.01,83.54 55.42,87.12 35.7,87.12 32.78,84.2 32.78,69.73 34.18,68.33 34.18,56.34 34.29,56.23 34.74,56.23 34.85,56.34 v1(34.85,56.51)